# KiCad board Panel3-copy.kicad_pcb
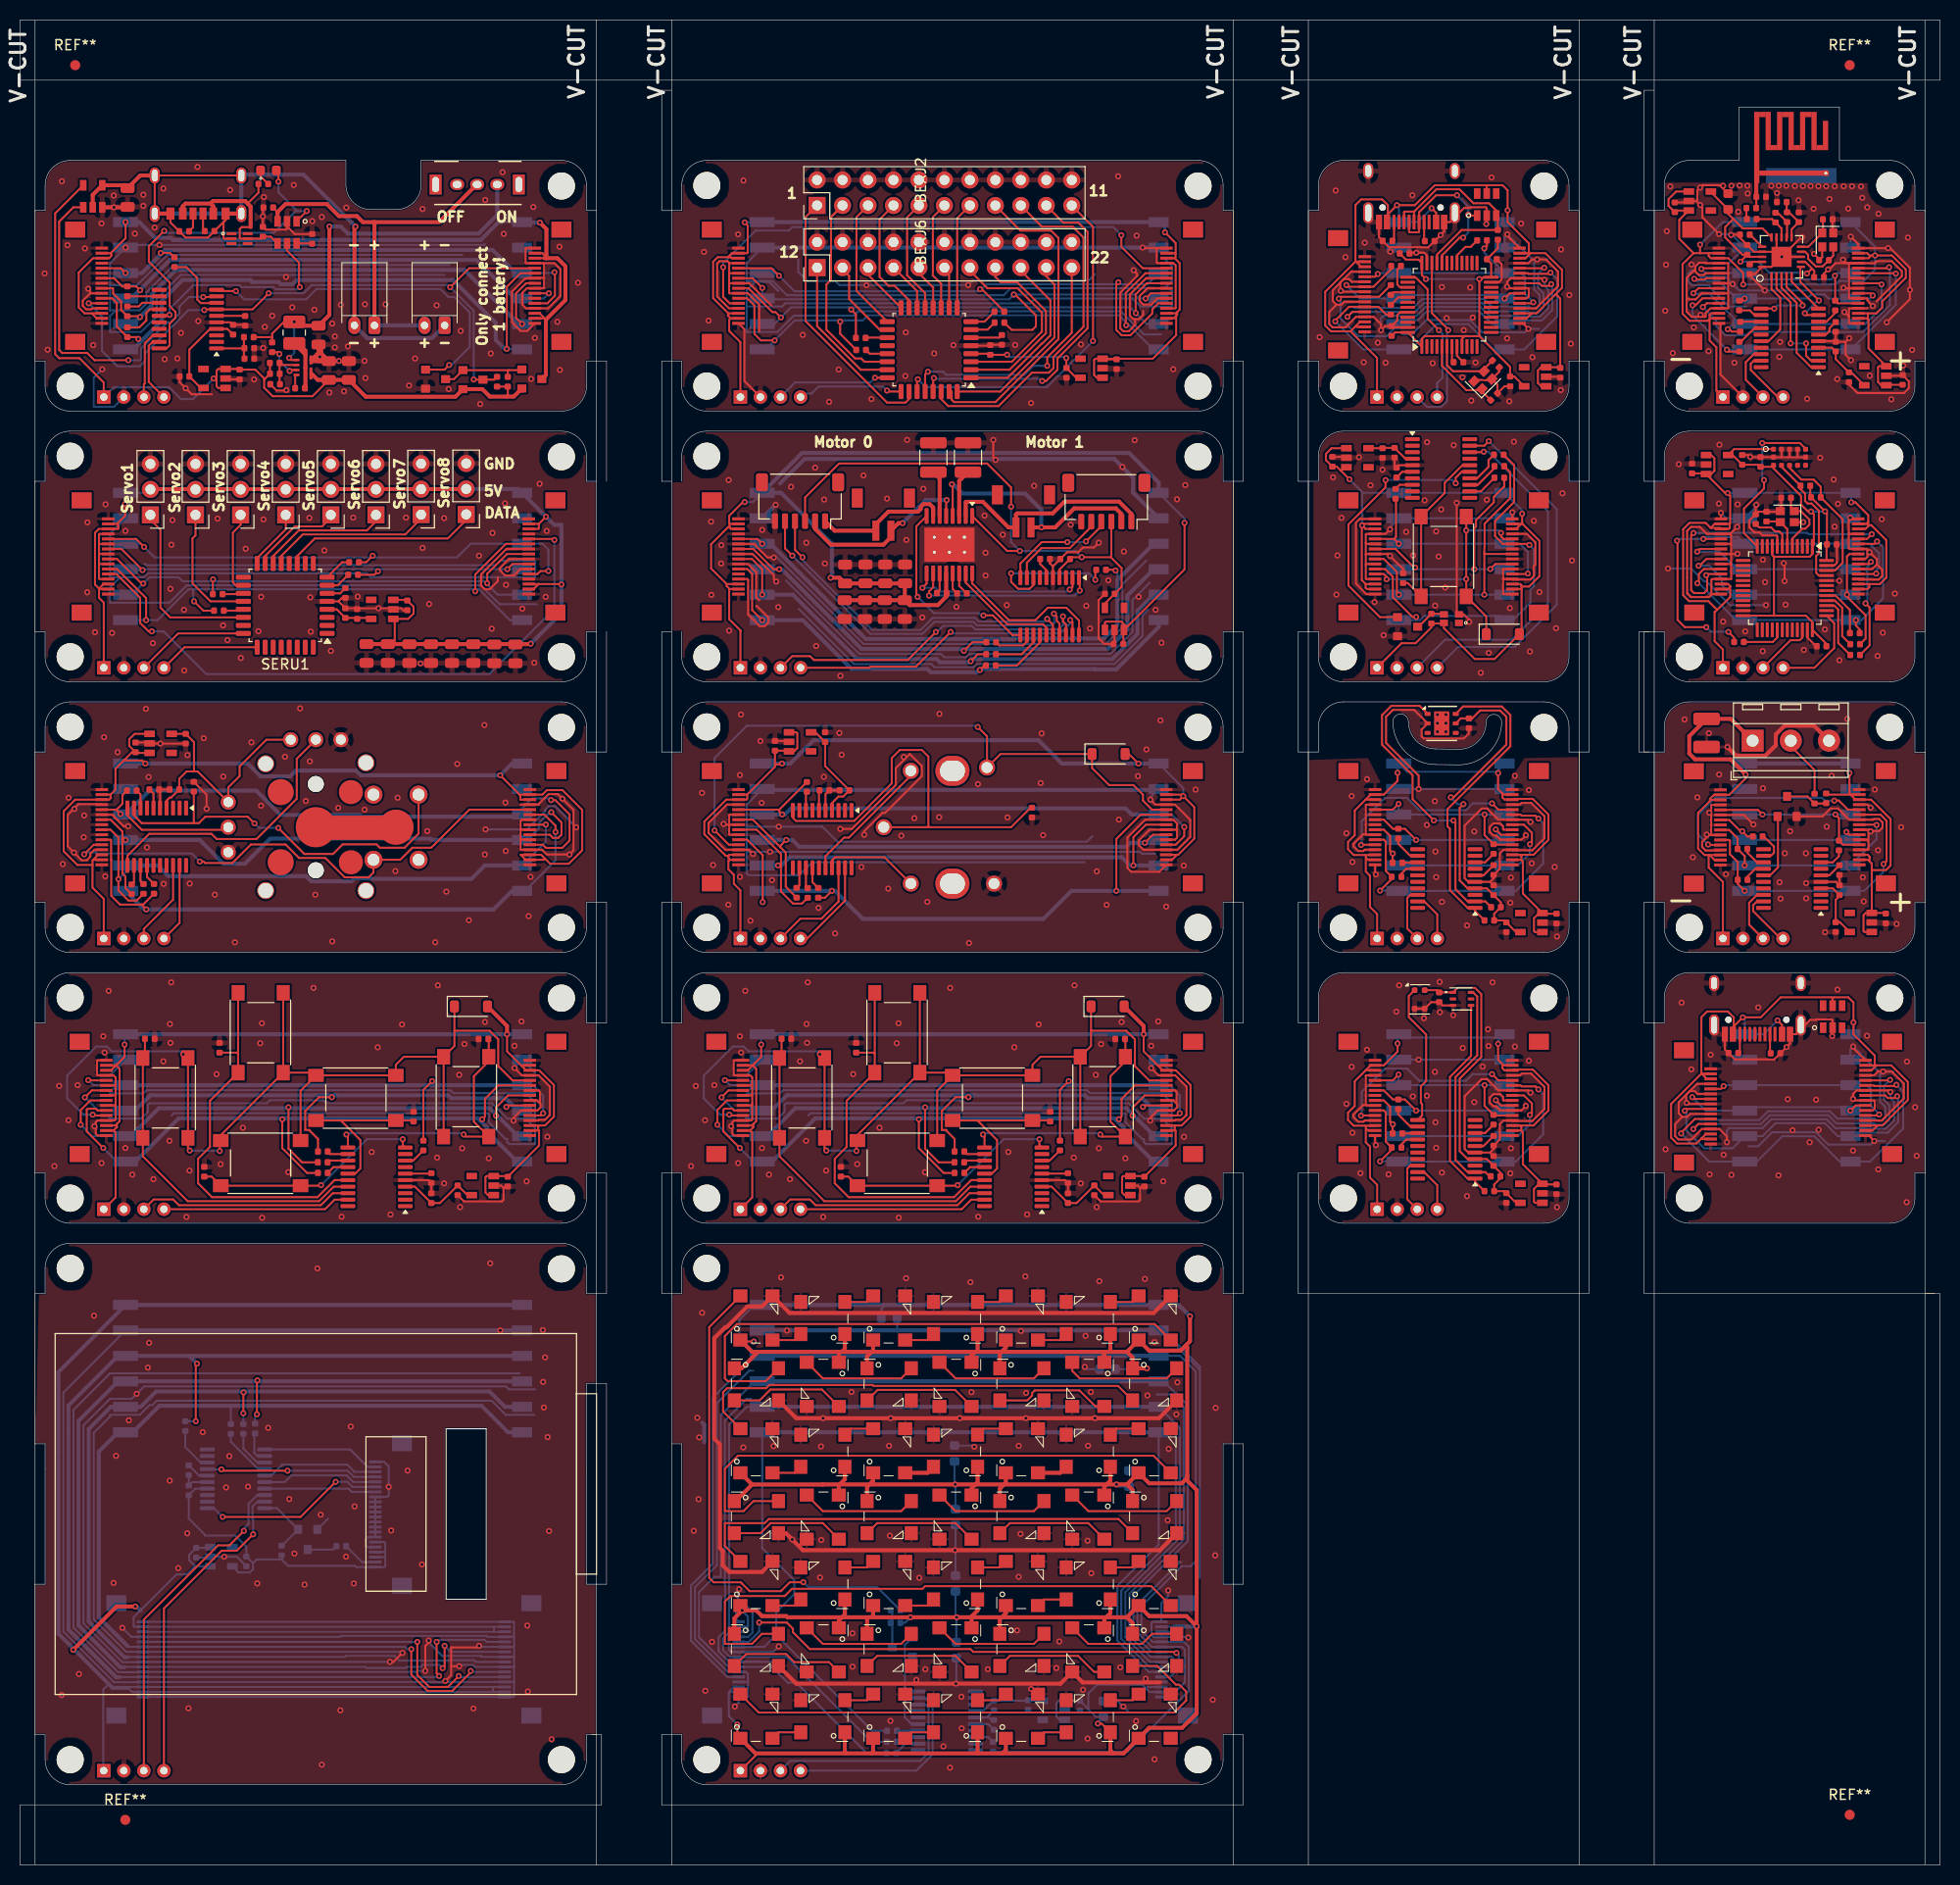
[diagram p0: board, top side]
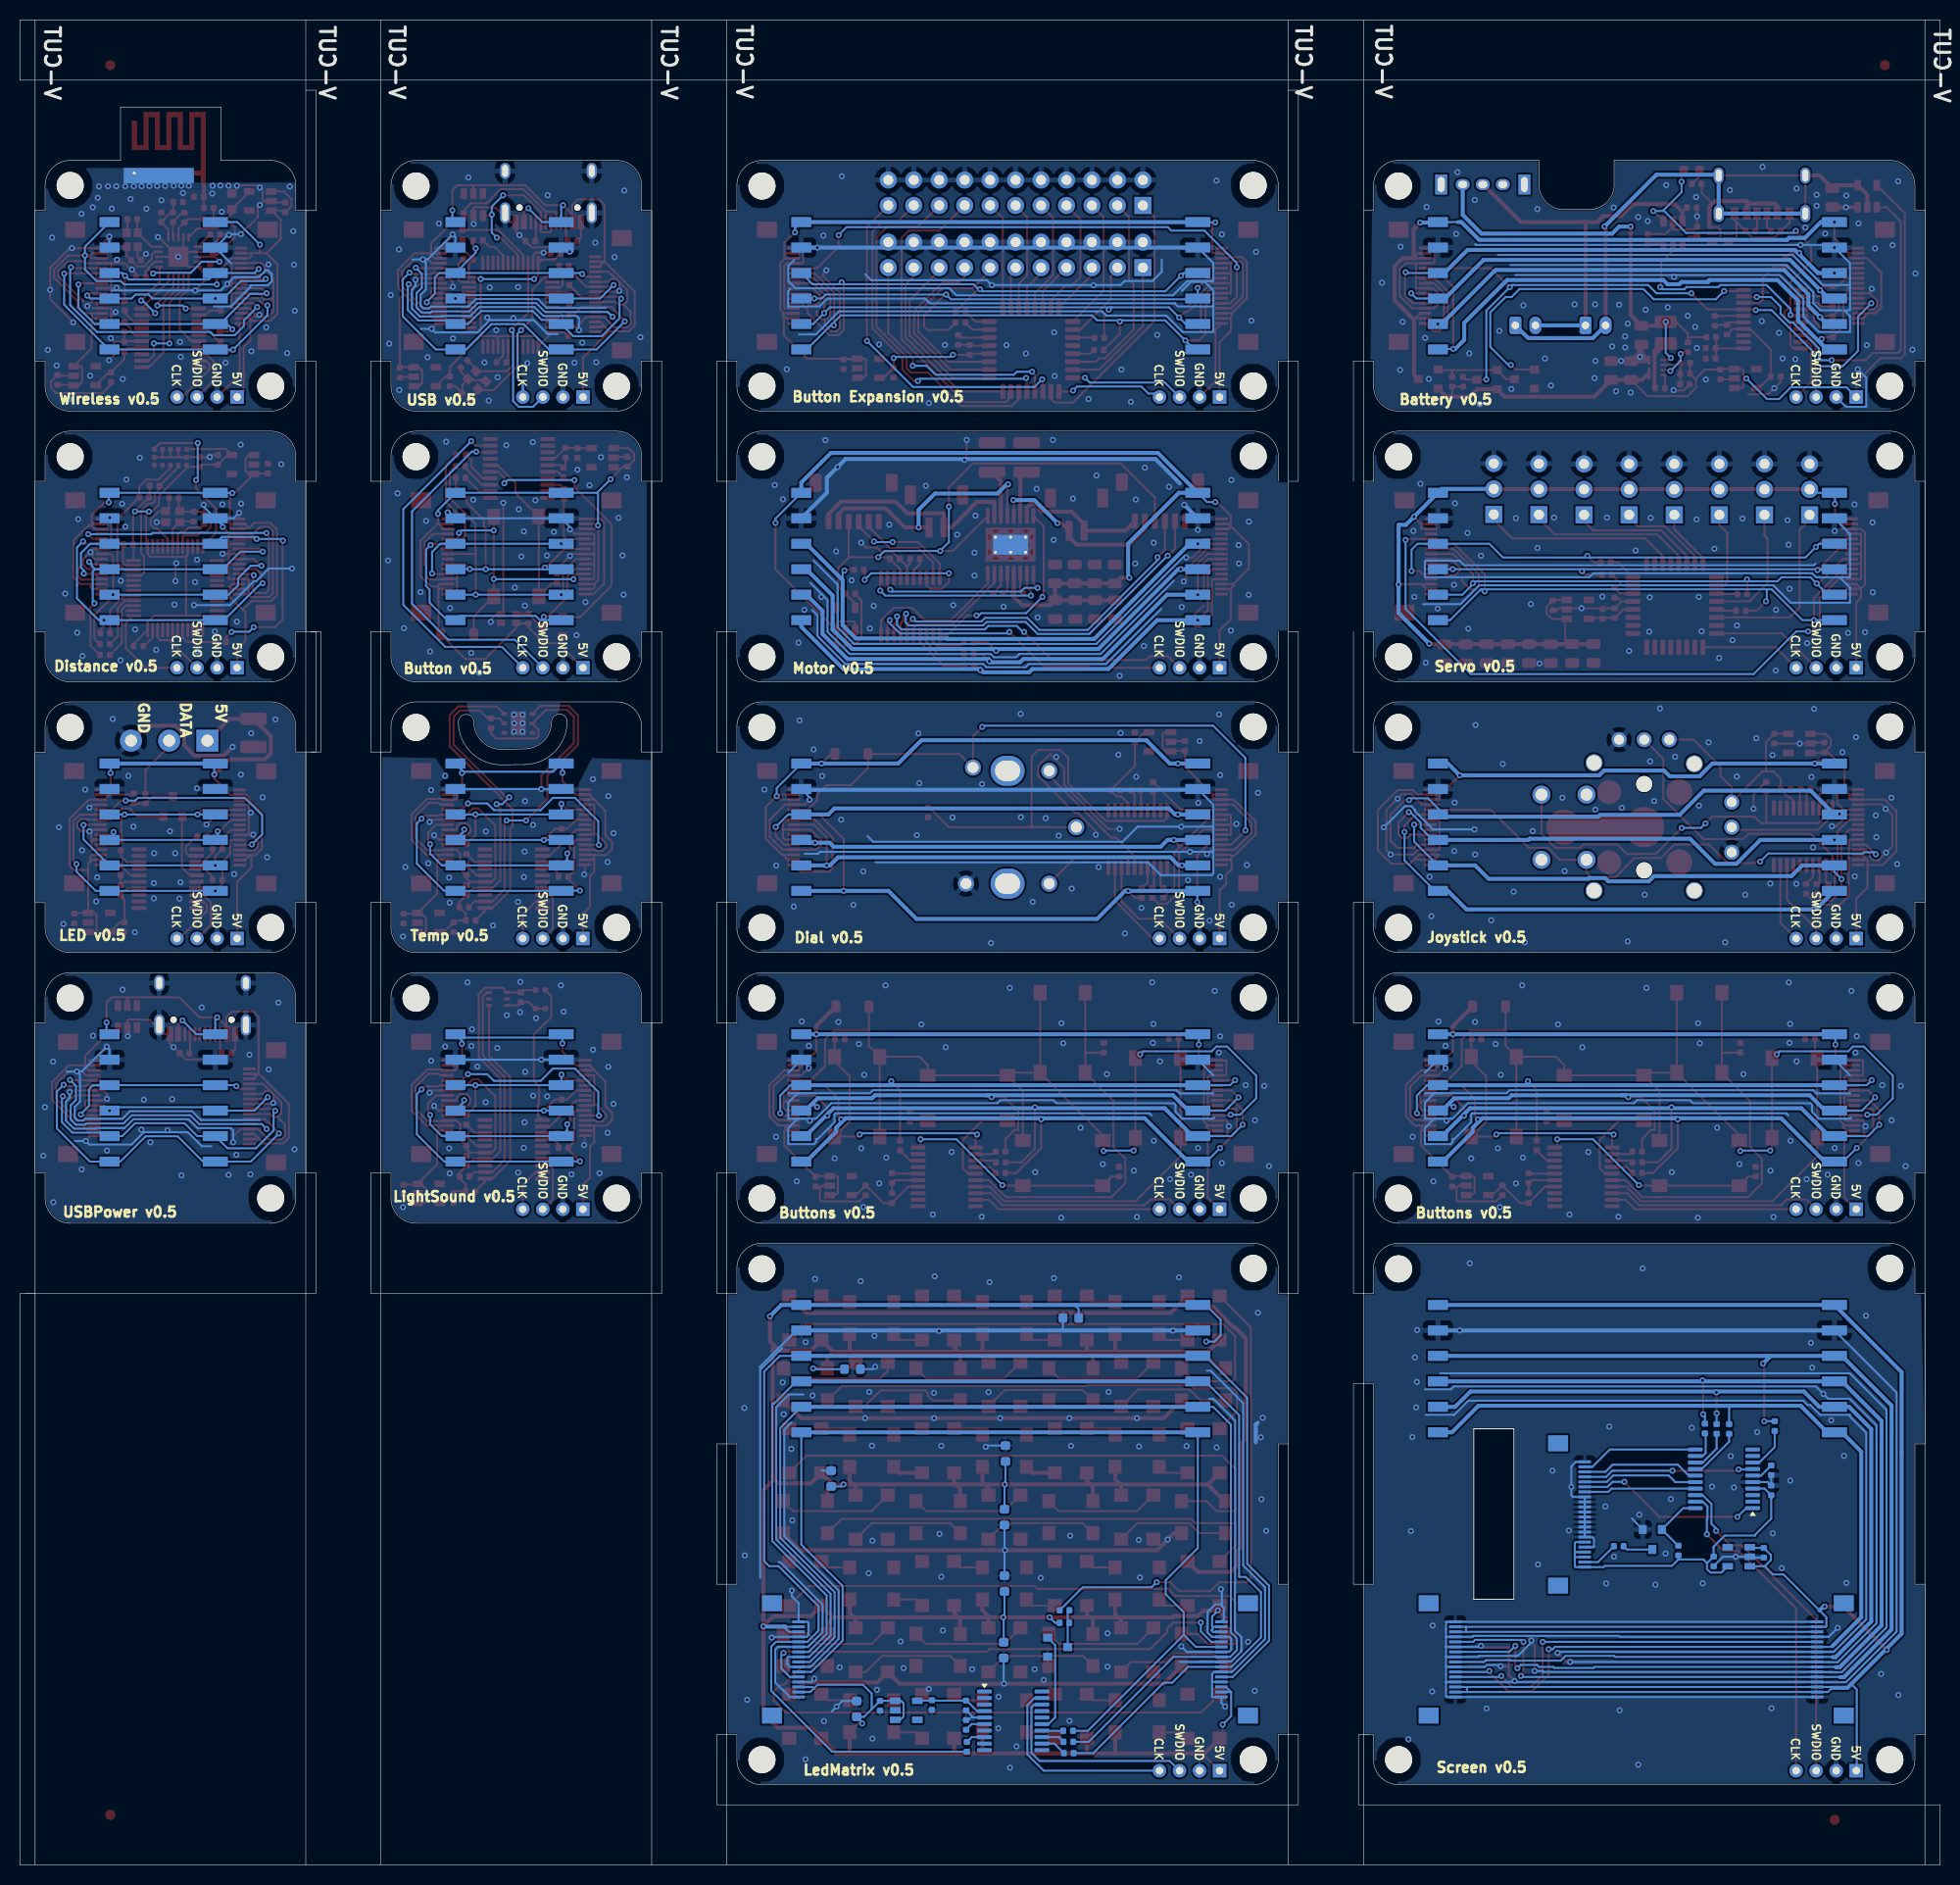
[diagram p1: board, bottom side, seen from below]

Outline 191.5 x 184 mm; copper layers: Top, Bottom. Coordinates in mm from the lower left corner of the outline.
Outline path: 1.5,0 1.5,184 ; 32.5,167.6 32.5,170 5,170 arc(3.23,169.27) 2.5,167.5 2.5,165 1.5,165 1.5,150 2.5,150 2.5,147.5 arc(3.23,145.73) 5,145 54,145 arc(55.77,145.73) 56.5,147.5 56.5,150 58.5,150 58.5,138 ; 32.49,167.6 arc(33.23,165.83) 34.99,165.1 37.51,165.1 arc(39.28,165.83) 40.01,167.6 ; 40,167.6 40,170 54,170 arc(55.77,169.27) 56.5,167.5 56.5,165 57.5,165 ; 57.5,123 56.5,123 56.5,120.5 arc(55.77,118.73) 54,118 5,118 arc(3.23,118.73) 2.5,120.5 2.5,123 1.5,123 1.5,138 2.5,138 2.5,140.5 arc(3.23,142.27) 5,143 54,143 arc(55.77,142.27) 56.5,140.5 56.5,138 57.5,138 ; 57.5,13 56.5,13 56.5,10.5 arc(55.77,8.73) 54,8 5,8 arc(3.23,8.73) 2.5,10.5 2.5,13 1.5,13 1.5,28 2.5,28 2.5,42 1.5,42 1.5,57 2.5,57 2.5,59.5 arc(3.23,61.27) 5,62 54,62 arc(55.77,61.27) 56.5,59.5 56.5,57 58.5,57 58.5,69 56.5,69 56.5,66.5 arc(55.77,64.73) 54,64 5,64 arc(3.23,64.73) 2.5,66.5 2.5,69 1.5,69 1.5,84 2.5,84 2.5,86.5 arc(3.23,88.27) 5,89 54,89 arc(55.77,88.27) 56.5,86.5 56.5,84 58.5,84 58.5,96 56.5,96 56.5,93.5 arc(55.77,91.73) 54,91 5,91 arc(3.23,91.73) 2.5,93.5 2.5,96 1.5,96 1.5,111 2.5,111 2.5,113.5 arc(3.23,115.27) 5,116 54,116 arc(55.77,115.27) 56.5,113.5 56.5,111 58.5,111 58.5,123 ; 57,13 58,13 58,6 0,6 0,0 191.5,0 191.5,57 190,57 ; 57.5,0 57.5,184 ; 65,177 64,177 64,165 66,165 66,167.5 arc(66.73,169.27) 68.5,170 117.5,170 arc(119.27,169.27) 120,167.5 120,165 121,165 121,150 ; 65,123 64,123 64,111 66,111 66,113.5 arc(66.73,115.27) 68.5,116 117.5,116 arc(119.27,115.27) 120,113.5 120,111 121,111 ; 65,138 64,138 64,150 66,150 66,147.5 arc(66.73,145.73) 68.5,145 117.5,145 arc(119.27,145.73) 120,147.5 120,150 121,150 ; 65,42 66,42 66,28 65,28 ; 65,0 65,184 ; 66,138 66,140.5 arc(66.73,142.27) 68.5,143 117.5,143 arc(119.27,142.27) 120,140.5 120,138 121,138 ; 66,123 66,120.5 arc(66.73,118.73) 68.5,118 117.5,118 arc(119.27,118.73) 120,120.5 120,123 121,123 ; 121,138 121,123 ; 121,138 122,138 122,150 121,150 ; 121,111 121,96 ; 121,111 122,111 122,123 121,123 ; 121,84 120,84 120,86.5 arc(119.27,88.27) 117.5,89 68.5,89 arc(66.73,88.27) 66,86.5 66,84 64,84 64,96 66,96 66,93.5 arc(66.73,91.73) 68.5,91 117.5,91 arc(119.27,91.73) 120,93.5 120,96 121,96 ; 121,84 121,69 ; 121,84 122,84 122,96 121,96 ; 121,69 120,69 120,66.5 arc(119.27,64.73) 117.5,64 68.5,64 arc(66.73,64.73) 66,66.5 66,69 64,69 64,57 66,57 66,59.5 arc(66.73,61.27) 68.5,62 117.5,62 arc(119.27,61.27) 120,59.5 120,57 122,57 122,69 121,69 ; 121,0 121,184 ; 128.5,150 127.5,150 127.5,138 128.5,138 ; 128.5,150 128.5,165 129.5,165 129.5,167.5 arc(130.23,169.27) 132,170 152,170 arc(153.77,169.27) 154.5,167.5 154.5,165 155.5,165 155.5,150 ; 128.5,150 129.5,150 129.5,147.5 arc(130.23,145.73) 132,145 152,145 arc(153.77,145.73) 154.5,147.5 154.5,150 155.5,150 ; 128.5,123 127.5,123 127.5,111 128.5,111 ; 128.5,123 128.5,138 ; 128.5,123 129.5,123 129.5,120.5 arc(130.23,118.73) 132,118 152,118 arc(153.77,118.73) 154.5,120.5 154.5,123 155.5,123 ; 128.5,96 127.5,96 127.5,84 128.5,84 ; 128.5,96 128.5,111 ; 128.5,96 129.5,96 129.5,93.5 arc(130.23,91.73) 132,91 152,91 arc(153.77,91.73) 154.5,93.5 154.5,96 155.5,96 ; 128.5,69 127.5,69 127.5,57 156.5,57 156.5,69 155.5,69 ; 128.5,69 128.5,84 ; 128.5,69 129.5,69 129.5,66.5 arc(130.23,64.73) 132,64 152,64 arc(153.77,64.73) 154.5,66.5 154.5,69 155.5,69 ; 128.5,138 129.5,138 129.5,140.5 arc(130.23,142.27) 132,143 152,143 arc(153.77,142.27) 154.5,140.5 154.5,138 155.5,138 ; 128.5,111 129.5,111 129.5,113.5 arc(130.23,115.27) 132,116 152,116 arc(153.77,115.27) 154.5,113.5 154.5,111 155.5,111 ; 128.5,84 129.5,84 129.5,86.5 arc(130.23,88.27) 132,89 152,89 arc(153.77,88.27) 154.5,86.5 154.5,84 155.5,84 ; 128.5,0 128.5,184 ; 155.5,150 156.5,150 156.5,138 155.5,138 ; 155.5,138 155.5,123 ; 155.5,123 156.5,123 156.5,111 155.5,111 ; 155.5,96 155.5,111 ; 155.5,96 156.5,96 156.5,84 155.5,84 ; 155.5,69 155.5,84 ; 155.5,0 155.5,184 ; 162.5,123 161.5,123 161.5,111 162.5,111 ; 163,177 162,177 162,165 163,165 ; 163,150 162,150 162,138 163,138 ; 163,150 163,165 ; 163,150 164,150 164,147.5 arc(164.73,145.73) 166.5,145 186.5,145 arc(188.27,145.73) 189,147.5 189,150 190,150 190,165 189,165 189,167.5 arc(188.27,169.27) 186.5,170 181.47,170 181.47,175.32 171.47,175.32 171.47,170 166.5,170 arc(164.73,169.27) 164,167.5 164,165 163,165 ; 163,123 162,123 162,111 163,111 ; 163,123 163,138 ; 163,123 164,123 164,120.5 arc(164.73,118.73) 166.5,118 186.5,118 arc(188.27,118.73) 189,120.5 189,123 190,123 190,138 189,138 189,140.5 arc(188.27,142.27) 186.5,143 166.5,143 arc(164.73,142.27) 164,140.5 164,138 163,138 ; 163,96 162,96 162,84 163,84 ; 163,96 163,111 ; 163,96 164,96 164,93.5 arc(164.73,91.73) 166.5,91 186.5,91 arc(188.27,91.73) 189,93.5 189,95.97 190,95.97 190,110.97 189,110.97 189,113.5 arc(188.27,115.27) 186.5,116 166.5,116 arc(164.73,115.27) 164,113.5 164,111 163,111 ; 163,69 162,69 162,57 191,57 ; 163,69 163,84 ; 163,69 164,69 164,66.5 arc(164.73,64.73) 166.5,64 186.5,64 arc(188.27,64.73) 189,66.5 189,69 190,69 190,84 189,84 189,86.5 arc(188.27,88.27) 186.5,89 166.5,89 arc(164.73,88.27) 164,86.5 164,84 163,84 ; 163,0 163,184 ; 190,0 190,184 ; 0,184 191.5,184 191.5,178 0,178 0,184 ; 42.5,43.5 42.5,26.5 46.5,26.5 46.5,43.5 42.5,43.5 ; 56.5,48 58.5,48 58.5,28 56.5,28 56.5,48 ; 64,13 66,13 66,10.5 arc(66.73,8.73) 68.5,8 117.5,8 arc(119.27,8.73) 120,10.5 120,13 122,13 122,6 64,6 64,13 ; 120,42 122,42 122,28 120,28 120,42 ; 136.93,114.04 arc(137.72,114.79) 138.48,114.02 arc(139.28,112.1) 141.19,111.31 143.5,111.27 arc(145.43,112.07) 146.23,114 arc(147.01,114.76) 147.78,114 arc(146.53,110.97) 143.5,109.72 141.2,109.75 arc(138.18,111.01) 136.93,114.04
Stack: Top 0.035mm / dielectric 1.51mm FR4 er 4.5 / Bottom 0.035mm

## Placement (name value [footprint] x y rotation side)
BATC1  0.1uF  [C_0402_1005Metric]  22.45 154 0 top
BATC2  4.7uF  [C_0402_1005Metric]  21.25 153.12 180 top
BATC3  0.1uF  [C_0402_1005Metric]  22.86 151.28 90 top
BATC5  22uF_25V  [C_0805_2012Metric]  29.77 152.57 0 top
BATC6  10nF  [C_0402_1005Metric]  27.93 147.28 270 top
BATC7  10pF  [C_0402_1005Metric]  25.4 149.8 90 top
BATC8  4.7uF  [C_0402_1005Metric]  21.9 148.65 0 top
BATC9  4.7uF  [C_0402_1005Metric]  16.4 148.45 270 top
BATC10  22uF_25V  [C_0805_2012Metric]  32.8 149.05 180 top
BATC11  22uF_25V  [C_0805_2012Metric]  30.8 149.05 180 top
BATC13  4.7uF  [C_0402_1005Metric]  24.23 162.88 180 top
BATC14  4.7uF  [C_0402_1005Metric]  24.76 165.3 270 top
BATD2  red_led  [LED_SML-D12D1WT86]  24.77 169 270 top
BATH1  M2.5MountingHole  [MountingHole_2.7mm_M2.5_ISO7380]  5 147.5 0 top
BATH2  M2.5MountingHole  [MountingHole_2.7mm_M2.5_ISO7380]  54 167.45 0 top
BATIC1  -  [USBLC6-2P6]  21.9 162.2 270 top
BATIGNORE1  Battery v0.5  [BoardText]  49.3 145.3 0 top
BATIGNORE2  ON  [BoardText]  48.54 163.5 180 bottom
BATIGNORE3  OFF  [BoardText]  42.95 163.5 180 bottom
BATIGNORE4  +  [BoardText]  40.35 151 180 bottom
BATIGNORE4#2  +  [BoardText]  40.35 160.76 180 bottom
BATIGNORE5  -  [BoardText]  42.35 151 180 bottom
BATIGNORE5#2  -  [BoardText]  42.35 160.76 180 bottom
BATIGNORE6  -  [BoardText]  33.29 160.75 180 bottom
BATIGNORE6#2  -  [BoardText]  33.29 150.99 180 bottom
BATIGNORE7  +  [BoardText]  35.34 160.75 180 bottom
BATIGNORE7#2  +  [BoardText]  35.34 150.99 180 bottom
BATIGNORE8  Only connect  [BoardText]  46.95 156.45 270 bottom
BATIGNORE9  1 battery!  [BoardText]  46.95 156.65 90 bottom
BATJ1  -  [FFC_connector_16p_hinge_lock]  7 157.5 180 top
BATJ2  USB_C_power_only_connector  [USB_C_Receptacle_power_only_6P]  17.75 166.6 0 top
BATJ3  -  [FFC_connector_16p_hinge_lock]  52.5 157.5 0 top
BATJ4  swd_4pin  [swd_header]  8.35 146.4 90 top
BATJ5  ConnBattery_JST_S2B-PH-K-S  [JST_PH_S2B-PH-K_1x02_P2.00mm_Horizontal]  34.35 153.55 180 top
BATJ6  -  [01x06_2.54mm_Female]  49.9 157.5 0 bottom
BATJ7  -  [01x06_2.54mm_Male]  10.6 157.5 180 bottom
BATJ8  ConnBattery_JST_S2B-PH-K-S  [JST_PH_S2B-PH-K_1x02_P2.00mm_Horizontal]  41.35 153.55 180 top
BATL1  1uH_3.2A  [L_1008_2520Metric]  27.35 152.82 90 top
BATQ2  PMOS_2A  [SOT-23]  45.17 148.13 270 top
BATQ5  N_MOSFET  [SOT-23]  41.45 148.19 270 top
BATQ6  PMOS_2A  [SOT-23]  51.05 148.2 270 top
BATR1  75R  [R_0402_1005Metric]  15.4 159.85 180 top
BATR2  75R  [R_0402_1005Metric]  10.7 152.87 0 top
BATR3  75R  [R_0402_1005Metric]  10.7 156.95 180 top
BATR4  75R  [R_0402_1005Metric]  10.7 154.95 0 top
BATR9  510K  [R_0402_1005Metric]  25.41 148.72 90 top
BATR10  150K  [R_0402_1005Metric]  25.44 147.68 270 top
BATR11  5.1K  [R_0402_1005Metric]  16.37 162.93 270 top
BATR12  5.1K  [R_0402_1005Metric]  18.9 162.95 90 top
BATR13  0.01R  [R_0805_2012Metric]  10.72 166.3 0 top
BATR14  100K  [R_0402_1005Metric]  22.82 152.38 270 top
BATR15  100K  [R_0402_1005Metric]  22.88 150.22 90 top
BATR16  330R  [R_0402_1005Metric]  24.27 167.65 90 top
BATR17  5.1K  [R_0402_1005Metric]  29.13 162.18 180 top
BATR18  10K  [R_0402_1005Metric]  25.14 151.37 0 top
BATR19  10K  [R_0402_1005Metric]  48.65 147.93 180 top
BATR20  100K  [R_0402_1005Metric]  47.58 147.94 180 top
BATSW1  -  [side_spst_switch]  45.6 167.6 180 top
BATU2  ME6211C33M5G-N  [SOT-23-5]  19.4 148.25 90 top
BATU3  STM32G030F6P6  [TSSOP-20_4.4x6.5mm_P0.65mm]  16.74 154.18 180 top
BATU5  -  [TPS61230A]  28.27 149.35 90 top
BATU6  INA180A3  [SOT-23-5]  7.25 166.43 0 top
BATU8  TP4057  [SOT-23-6]  26.63 162.82 180 top
BEXC3  0.1uF  [C_0402_1005Metric]  97.92 152.1 0 top
BEXC4  4.7uF  [C_0402_1005Metric]  96.78 151.1 180 top
BEXC8  4.7uF  [C_0402_1005Metric]  109.38 149.68 0 top
BEXC9  4.7uF  [C_0402_1005Metric]  104.38 148.81 0 top
BEXH1  M2.5MountingHole  [MountingHole_2.7mm_M2.5_ISO7380]  68.5 147.5 0 top
BEXH2  M2.5MountingHole  [MountingHole_2.7mm_M2.5_ISO7380]  117.5 167.45 0 top
BEXH3  M2.5MountingHole  [MountingHole_2.7mm_M2.5_ISO7380]  68.5 167.5 0 top
BEXH4  M2.5MountingHole  [MountingHole_2.7mm_M2.5_ISO7380]  117.5 147.5 0 top
BEXIGNORE1  Button Expansion v0.5  [BoardText]  105.92 145.57 0 top
BEXIGNORE2  1  [BoardText]  76.98 165.85 180 bottom
BEXIGNORE3  11  [BoardText]  107.57 166.11 180 bottom
BEXIGNORE4  12  [BoardText]  76.69 159.99 180 bottom
BEXIGNORE5  22  [BoardText]  107.69 159.43 180 bottom
BEXJ1  -  [01x06_2.54mm_Male]  74.1 157.5 180 bottom
BEXJ2  Conn_02x11_Odd_Even  [PinHeader_2x11_P2.54mm_Vertical]  92.19 166.76 90 top
BEXJ3  -  [01x06_2.54mm_Female]  113.4 157.5 0 bottom
BEXJ4  swd_4pin  [swd_header]  71.85 146.4 90 top
BEXJ5  -  [FFC_connector_16p_hinge_lock]  70.5 157.5 180 top
BEXJ6  Conn_02x11_Odd_Even  [PinHeader_2x11_P2.54mm_Vertical]  92.19 160.56 90 top
BEXJ7  -  [FFC_connector_16p_hinge_lock]  115.5 157.5 0 top
BEXR5  75R  [R_0402_1005Metric]  97.69 153.82 90 top
BEXR6  75R  [R_0402_1005Metric]  83.86 152.3 270 top
BEXR7  75R  [R_0402_1005Metric]  83.89 151.1 270 top
BEXR8  75R  [R_0402_1005Metric]  97.68 154.93 90 top
BEXU1  STM32G030K6T6  [LQFP-32_7x7mm_P0.8mm]  90.67 151.12 180 top
BEXU2  ME6211C33M5G-N  [SOT-23-5]  106.88 149.28 90 top
BLKC1  0.1uF  [C_0402_1005Metric]  104.53 68.51 0 top
BLKC2  4.7uF  [C_0402_1005Metric]  104.53 66.5 180 top
BLKC8  4.7uF  [C_0402_1005Metric]  112.15 68.16 0 top
BLKC9  4.7uF  [C_0402_1005Metric]  107.15 67.29 0 top
BLKD2  1N4148W  [D_SOD-123]  108.47 85.62 0 top
BLKH1  M2.5MountingHole  [MountingHole_2.7mm_M2.5_ISO7380]  68.5 66.5 0 top
BLKH2  M2.5MountingHole  [MountingHole_2.7mm_M2.5_ISO7380]  117.5 86.45 0 top
BLKH3  M2.5MountingHole  [MountingHole_2.7mm_M2.5_ISO7380]  68.5 86.5 0 top
BLKH4  M2.5MountingHole  [MountingHole_2.7mm_M2.5_ISO7380]  117.5 66.5 0 top
BLKIGNORE1  Buttons v0.5  [BoardText]  111 64.17 0 top
BLKJ1  -  [01x06_2.54mm_Male]  74.1 76.5 180 bottom
BLKJ2  -  [01x06_2.54mm_Female]  113.4 76.5 0 bottom
BLKJ3  -  [FFC_connector_16p_hinge_lock]  115.5 76.5 0 top
BLKJ4  swd_4pin  [swd_header]  71.85 65.4 90 top
BLKJ5  -  [FFC_connector_16p_hinge_lock]  70.95 76.5 180 top
BLKR1  75R  [R_0402_1005Metric]  103.72 71.75 180 top
BLKR2  75R  [R_0402_1005Metric]  93.7 69.02 270 top
BLKR3  75R  [R_0402_1005Metric]  93.7 71.15 270 top
BLKR4  75R  [R_0402_1005Metric]  93.69 70.08 270 top
BLKR5  10K  [R_0402_1005Metric]  83.4 81.5 0 top
BLKR6  10K  [R_0402_1005Metric]  76.44 82.4 270 top
BLKR7  10K  [R_0402_1005Metric]  109.72 82.38 90 top
BLKR8  10K  [R_0402_1005Metric]  81.88 69.14 0 top
BLKR9  10K  [R_0402_1005Metric]  102.75 74.64 0 top
BLKSW1  button_6x6x7  [SW_SPST_PTS645]  78 76.5 90 top
BLKSW2  button_6x6x7  [SW_SPST_PTS645]  87.5 83 90 top
BLKSW3  button_6x6x7  [SW_SPST_PTS645]  97 76.5 180 top
BLKSW4  button_6x6x7  [SW_SPST_PTS645]  87.5 70 180 top
BLKSW6  button_6x6x7  [SW_SPST_PTS645]  108 76.62 270 top
BLKU2  ME6211C33M5G-N  [SOT-23-5]  109.65 67.75 90 top
BLKU3  STM32G030F6P6  [TSSOP-20_4.4x6.5mm_P0.65mm]  99.06 68.62 180 top
BTSC1  0.1uF  [C_0402_1005Metric]  41.02 68.51 0 top
BTSC2  4.7uF  [C_0402_1005Metric]  41.02 66.5 180 top
BTSC8  4.7uF  [C_0402_1005Metric]  48.65 68.16 0 top
BTSC9  4.7uF  [C_0402_1005Metric]  43.65 67.29 0 top
BTSD2  1N4148W  [D_SOD-123]  44.98 85.62 0 top
BTSH1  M2.5MountingHole  [MountingHole_2.7mm_M2.5_ISO7380]  5 66.5 0 top
BTSH2  M2.5MountingHole  [MountingHole_2.7mm_M2.5_ISO7380]  54 86.45 0 top
BTSH3  M2.5MountingHole  [MountingHole_2.7mm_M2.5_ISO7380]  5 86.5 0 top
BTSH4  M2.5MountingHole  [MountingHole_2.7mm_M2.5_ISO7380]  54 66.5 0 top
BTSIGNORE1  Buttons v0.5  [BoardText]  47.5 64.17 0 top
BTSJ1  -  [01x06_2.54mm_Male]  10.6 76.5 180 bottom
BTSJ2  -  [01x06_2.54mm_Female]  49.9 76.5 0 bottom
BTSJ3  -  [FFC_connector_16p_hinge_lock]  52 76.5 0 top
BTSJ4  swd_4pin  [swd_header]  8.35 65.4 90 top
BTSJ5  -  [FFC_connector_16p_hinge_lock]  7.45 76.5 180 top
BTSR1  75R  [R_0402_1005Metric]  40.23 71.75 180 top
BTSR2  75R  [R_0402_1005Metric]  30.2 69.02 270 top
BTSR3  75R  [R_0402_1005Metric]  30.2 71.15 270 top
BTSR4  75R  [R_0402_1005Metric]  30.19 70.08 270 top
BTSR5  10K  [R_0402_1005Metric]  19.9 81.5 0 top
BTSR6  10K  [R_0402_1005Metric]  12.94 82.4 270 top
BTSR7  10K  [R_0402_1005Metric]  46.23 82.38 90 top
BTSR8  10K  [R_0402_1005Metric]  18.38 69.14 0 top
BTSR9  10K  [R_0402_1005Metric]  39.25 74.64 0 top
BTSSW1  button_6x6x7  [SW_SPST_PTS645]  14.5 76.5 90 top
BTSSW2  button_6x6x7  [SW_SPST_PTS645]  24 83 90 top
BTSSW3  button_6x6x7  [SW_SPST_PTS645]  33.5 76.5 180 top
BTSSW4  button_6x6x7  [SW_SPST_PTS645]  24 70 180 top
BTSSW6  button_6x6x7  [SW_SPST_PTS645]  44.5 76.62 270 top
BTSU2  ME6211C33M5G-N  [SOT-23-5]  46.15 67.75 90 top
BTSU3  STM32G030F6P6  [TSSOP-20_4.4x6.5mm_P0.65mm]  35.56 68.62 180 top
BUTC1  0.1uF  [C_0402_1005Metric]  137.3 138.87 180 top
BUTC2  4.7uF  [C_0402_1005Metric]  137.1 140.85 0 top
BUTC8  4.7uF  [C_0402_1005Metric]  130.9 139.95 180 top
BUTC9  4.7uF  [C_0402_1005Metric]  135.9 140.81 0 top
BUTD2  ws2812b_1615  [WS2812B_1615]  142.78 124.3 180 top
BUTD3  1N4148W  [D_SOD-123]  147.9 122.75 0 top
BUTH1  M2.5MountingHole  [MountingHole_2.7mm_M2.5_ISO7380]  132 120.5 0 top
BUTH2  M2.5MountingHole  [MountingHole_2.7mm_M2.5_ISO7380]  152 140.45 0 top
BUTIGNORE1  Button v0.5  [BoardText]  148.85 118.47 0 top
BUTJ1  -  [FFC_connector_16p_hinge_lock]  134 130.5 180 top
BUTJ2  -  [01x06_2.54mm_Male]  137.6 130.5 180 bottom
BUTJ3  -  [FFC_connector_16p_hinge_lock]  150 130.5 0 top
BUTJ4  swd_4pin  [swd_header]  135.35 119.4 90 top
BUTJ5  -  [01x06_2.54mm_Female]  147.9 130.5 0 bottom
BUTQ1  N_MOSFET  [SOT-23]  138.4 123.5 270 top
BUTR1  75R  [R_0402_1005Metric]  137.2 136.75 0 top
BUTR2  75R  [R_0402_1005Metric]  147.5 140.65 90 top
BUTR3  75R  [R_0402_1005Metric]  147.55 138.35 90 top
BUTR4  75R  [R_0402_1005Metric]  147.55 139.5 90 top
BUTR5  10K  [R_0402_1005Metric]  137.95 128.34 0 top
BUTR6  1K  [R_0402_1005Metric]  140.78 124.3 180 top
BUTSW2  button_6x6x7  [SW_SPST_PTS645]  142 130.5 90 top
BUTU2  ME6211C33M5G-N  [SOT-23-5]  133.4 140.35 270 top
BUTU3  STM32G030F6P6  [TSSOP-20_4.4x6.5mm_P0.65mm]  141.74 139.28 0 top
DIAC1  0.1uF  [C_0402_1005Metric]  80.23 107.17 90 top
DIAC2  4.7uF  [C_0402_1005Metric]  82.24 107.17 270 top
DIAC8  4.7uF  [C_0402_1005Metric]  75.3 111.62 180 top
DIAC9  4.7uF  [C_0402_1005Metric]  80.3 112.48 180 top
DIAD2  1N4148W  [D_SOD-123]  108.58 110.8 0 top
DIAH1  M2.5MountingHole  [MountingHole_2.7mm_M2.5_ISO7380]  68.5 93.5 0 top
DIAH2  M2.5MountingHole  [MountingHole_2.7mm_M2.5_ISO7380]  117.5 113.45 0 top
DIAH3  M2.5MountingHole  [MountingHole_2.7mm_M2.5_ISO7380]  68.5 113.5 0 top
DIAH4  M2.5MountingHole  [MountingHole_2.7mm_M2.5_ISO7380]  117.5 93.5 0 top
DIAIGNORE1  Dial v0.5  [BoardText]  110.83 91.63 0 top
DIAJ1  -  [FFC_connector_16p_hinge_lock]  70.5 103.5 180 top
DIAJ2  -  [FFC_connector_16p_hinge_lock]  115.48 103.5 0 top
DIAJ3  -  [01x06_2.54mm_Male]  74.1 103.5 180 bottom
DIAJ4  swd_4pin  [swd_header]  71.85 92.4 90 top
DIAJ5  -  [01x06_2.54mm_Female]  113.4 103.5 0 bottom
DIAR1  75R  [R_0402_1005Metric]  78.48 107.52 180 top
DIAR2  75R  [R_0402_1005Metric]  79.62 96.95 0 top
DIAR3  75R  [R_0402_1005Metric]  77.46 96.96 0 top
DIAR4  75R  [R_0402_1005Metric]  78.56 96.94 0 top
DIAR5  10K  [R_0402_1005Metric]  100.93 104.96 180 top
DIASW7  RotaryEncoder_Switch  [RotaryEncoderEC12D]  93 103.5 90 top
DIAU2  ME6211C33M5G-N  [SOT-23-5]  77.8 112.02 270 top
DIAU3  STM32G030F6P6  [TSSOP-20_4.4x6.5mm_P0.65mm]  80.01 102.31 270 top
DISC3  4.7uF  [C_0402_1005Metric]  173.6 139.93 180 top
DISC4  4.7uF  [C_0402_1005Metric]  180.72 131.7 90 top
DISC5  4.7uF  [C_0402_1005Metric]  179.69 121.55 270 top
DISC6  12pF  [C_0402_1005Metric]  176.15 136.35 90 top
DISC7  12pF  [C_0402_1005Metric]  174.2 134.47 0 top
DISC8  4.7uF  [C_0402_1005Metric]  166.78 139.27 180 top
DISC9  4.7uF  [C_0402_1005Metric]  171.78 140.13 180 top
DISC11  0.1uF  [C_0402_1005Metric]  173.12 134.22 0 top
DISH1  M2.5MountingHole  [MountingHole_2.7mm_M2.5_ISO7380]  166.5 120.5 0 top
DISH2  M2.5MountingHole  [MountingHole_2.7mm_M2.5_ISO7380]  186.5 140.45 0 top
DISIGNORE1  Distance v0.5  [BoardText]  182.95 118.7 0 top
DISJ1  -  [01x06_2.54mm_Male]  172.1 130.5 180 bottom
DISJ2  -  [01x06_2.54mm_Female]  182.4 130.5 0 bottom
DISJ3  -  [FFC_connector_16p_hinge_lock]  184.5 130.5 0 top
DISJ4  swd_4pin  [swd_header]  169.85 119.4 90 top
DISJ5  -  [FFC_connector_16p_hinge_lock]  168.5 130.5 180 top
DISR5  10K  [R_0402_1005Metric]  179.12 136.4 270 top
DISR6  10K  [R_0402_1005Metric]  178.07 137.55 90 top
DISR7  75R  [R_0402_1005Metric]  183.04 120.67 90 top
DISR8  75R  [R_0402_1005Metric]  183.04 121.75 90 top
DISR9  75R  [R_0402_1005Metric]  183 122.86 90 top
DISR10  75R  [R_0402_1005Metric]  171.45 121.97 270 top
DISU1  -  [VL53L3CXV0DH]  176.5 140.39 180 top
DISU2  ME6211C33M5G-N  [SOT-23-5]  169.28 139.67 270 top
DISU3  STM32F103C8T6  [LQFP-48_7x7mm_P0.5mm]  176.03 127.35 270 top
DISY1  Crystal_16M_small  [Crystal_SMD_2016-4Pin_2.0x1.6mm]  176.28 134.47 180 top
JOYC1  0.1uF  [C_0402_1005Metric]  13.38 107.26 90 top
JOYC2  4.7uF  [C_0402_1005Metric]  15.39 107.26 270 top
JOYC8  4.7uF  [C_0402_1005Metric]  11.52 111.46 180 top
JOYC9  4.7uF  [C_0402_1005Metric]  16.52 112.33 0 top
JOYH1  M2.5MountingHole  [MountingHole_2.7mm_M2.5_ISO7380]  5 93.5 0 top
JOYH2  M2.5MountingHole  [MountingHole_2.7mm_M2.5_ISO7380]  54 113.45 0 top
JOYH3  M2.5MountingHole  [MountingHole_2.7mm_M2.5_ISO7380]  5 113.5 0 top
JOYH4  M2.5MountingHole  [MountingHole_2.7mm_M2.5_ISO7380]  54 93.5 0 top
JOYIGNORE1  Joystick v0.5  [BoardText]  47.52 91.68 0 top
JOYJ1  -  [01x06_2.54mm_Male]  10.6 103.5 180 bottom
JOYJ2  -  [FFC_connector_16p_hinge_lock]  7 103.5 180 top
JOYJ3  -  [01x06_2.54mm_Female]  49.9 103.5 0 bottom
JOYJ4  swd_4pin  [swd_header]  8.35 92.4 90 top
JOYJ5  -  [FFC_connector_16p_hinge_lock]  52 103.5 0 top
JOYR1  75R  [R_0402_1005Metric]  11.15 107.15 270 top
JOYR2  75R  [R_0402_1005Metric]  13.37 97.36 0 top
JOYR3  75R  [R_0402_1005Metric]  11.13 97.31 0 top
JOYR4  75R  [R_0402_1005Metric]  12.31 97.34 0 top
JOYR6  10K  [R_0402_1005Metric]  17.33 107.54 0 top
JOYU1  -  [Joystick]  29.5 105.5 90 top
JOYU2  ME6211C33M5G-N  [SOT-23-5]  14.02 111.86 270 top
JOYU3  STM32G030F6P6  [TSSOP-20_4.4x6.5mm_P0.65mm]  13.64 102.55 270 top
LEDC1  0.1uF  [C_0402_1005Metric]  181.48 99.22 0 top
LEDC2  4.7uF  [C_0402_1005Metric]  181.48 97.22 180 top
LEDC4  47uF_16V  [C_1210_3225Metric]  168.22 112.9 0 top
LEDC8  4.7uF  [C_0402_1005Metric]  186.1 94.4 0 top
LEDC9  4.7uF  [C_0402_1005Metric]  181.1 93.53 0 top
LEDH1  M2.5MountingHole  [MountingHole_2.7mm_M2.5_ISO7380]  166.5 93.5 0 top
LEDH2  M2.5MountingHole  [MountingHole_2.7mm_M2.5_ISO7380]  186.5 113.45 0 top
LEDIGNORE1  LED v0.5  [BoardText]  184.3 91.85 0 top
LEDIGNORE2  GND  [BoardText]  181.32 114.42 90 top
LEDIGNORE3  DATA  [BoardText]  177.45 114.25 90 top
LEDIGNORE4  5V  [BoardText]  173.7 114.85 90 top
LEDJ1  -  [01x06_2.54mm_Male]  172.1 103.5 180 bottom
LEDJ2  TerminalBlock_3P_3.8_black  [TerminalBlock_03_P3.81mm_Horizontal]  176.62 112.13 0 top
LEDJ3  -  [01x06_2.54mm_Female]  182.4 103.5 0 bottom
LEDJ4  swd_4pin  [swd_header]  169.85 92.4 90 top
LEDJ5  -  [FFC_connector_16p_hinge_lock]  168.45 103.47 180 top
LEDJ7  -  [FFC_connector_16p_hinge_lock]  184.6 103.5 0 top
LEDQ3  N_MOSFET  [SOT-23]  176.25 105.57 0 top
LEDR1  75R  [R_0402_1005Metric]  181.43 101.67 180 top
LEDR2  75R  [R_0402_1005Metric]  171.81 98.25 270 top
LEDR3  75R  [R_0402_1005Metric]  173.32 102.58 270 top
LEDR4  75R  [R_0402_1005Metric]  171.8 101.33 270 top
LEDR5  1K  [R_0402_1005Metric]  178.99 106.35 180 top
LEDR7  1K  [R_0402_1005Metric]  180.15 106.38 0 top
LEDU2  ME6211C33M5G-N  [SOT-23-5]  183.6 94 90 top
LEDU3  STM32G030F6P6  [TSSOP-20_4.4x6.5mm_P0.65mm]  176.77 98.38 180 top
LIGC1  0.1uF  [C_0402_1005Metric]  146.98 72.22 0 top
LIGC2  4.7uF  [C_0402_1005Metric]  146.98 70.22 180 top
LIGC3  4.7uF  [C_0402_1005Metric]  141.55 86.53 0 top
LIGC8  4.7uF  [C_0402_1005Metric]  153.25 67.39 0 top
LIGC9  4.7uF  [C_0402_1005Metric]  148.25 66.52 0 top
LIGH1  M2.5MountingHole  [MountingHole_2.7mm_M2.5_ISO7380]  132 66.5 0 top
LIGH2  M2.5MountingHole  [MountingHole_2.7mm_M2.5_ISO7380]  152 86.45 0 top
LIGIGNORE1  LightSound v0.5  [BoardText]  148.2 65.8 0 top
LIGJ1  -  [01x06_2.54mm_Male]  137.6 76.5 180 bottom
LIGJ2  -  [01x06_2.54mm_Female]  147.9 76.5 0 bottom
LIGJ3  -  [FFC_connector_16p_hinge_lock]  150 76.5 0 top
LIGJ4  swd_4pin  [swd_header]  135.36 65.4 90 top
LIGJ5  -  [FFC_connector_16p_hinge_lock]  134 76.5 180 top
LIGR1  75R  [R_0402_1005Metric]  146.97 74.33 180 top
LIGR2  75R  [R_0402_1005Metric]  137.3 71.55 270 top
LIGR3  75R  [R_0402_1005Metric]  137.47 75.86 180 top
LIGR4  75R  [R_0402_1005Metric]  137.39 72.95 270 top
LIGR5  10K  [R_0402_1005Metric]  146.55 67.2 90 top
LIGR6  10K  [R_0402_1005Metric]  147.18 68.67 90 top
LIGU1  -  [LTR-381RGB]  143.82 86.38 0 top
LIGU2  ME6211C33M5G-N  [SOT-23-5]  150.75 66.98 90 top
LIGU3  STM32G030F6P6  [TSSOP-20_4.4x6.5mm_P0.65mm]  142.27 71.38 180 top
LIGU4  WMM7027ATSN1-4/TR  [LGA-4]  139.6 86.33 0 top
MATC1  4.7uF  [C_0402_1005Metric]  105.72 15.88 180 bottom
MATC2  4.7uF  [C_0402_1005Metric]  97.14 15.91 180 bottom
MATC3  4.7uF  [C_0402_1005Metric]  100.55 15.95 180 bottom
MATC4  0.1uF  [C_0402_1005Metric]  97.14 13.97 0 bottom
MATC6  22uF_10V  [C_0603_1608Metric]  110.6 38.54 0 bottom
MATC7  22uF_10V  [C_0603_1608Metric]  93.31 28.07 0 bottom
MATC8  22uF_10V  [C_0603_1608Metric]  86.69 54.55 270 bottom
MATC11  22uF_10V  [C_0603_1608Metric]  93.21 41.04 0 bottom
MATC12  22uF_10V  [C_0603_1608Metric]  108.47 49.45 90 bottom
MATC13  22uF_10V  [C_0603_1608Metric]  93.39 21.42 180 bottom
MATC15  22uF_10V  [C_0603_1608Metric]  108.05 15.56 0 bottom
MATC16  22uF_10V  [C_0603_1608Metric]  93.31 34.69 180 bottom
MATD1  WS2812B  [LED_WS2812B_PLCC4_5.0x5.0mm_P3.2mm]  73.45 54.55 0 top
MATD2  WS2812B  [LED_WS2812B_PLCC4_5.0x5.0mm_P3.2mm]  80.07 54.55 90 top
MATD3  WS2812B  [LED_WS2812B_PLCC4_5.0x5.0mm_P3.2mm]  86.69 54.55 0 top